# KiCad board APA102_Matrix.kicad_pcb (continued)
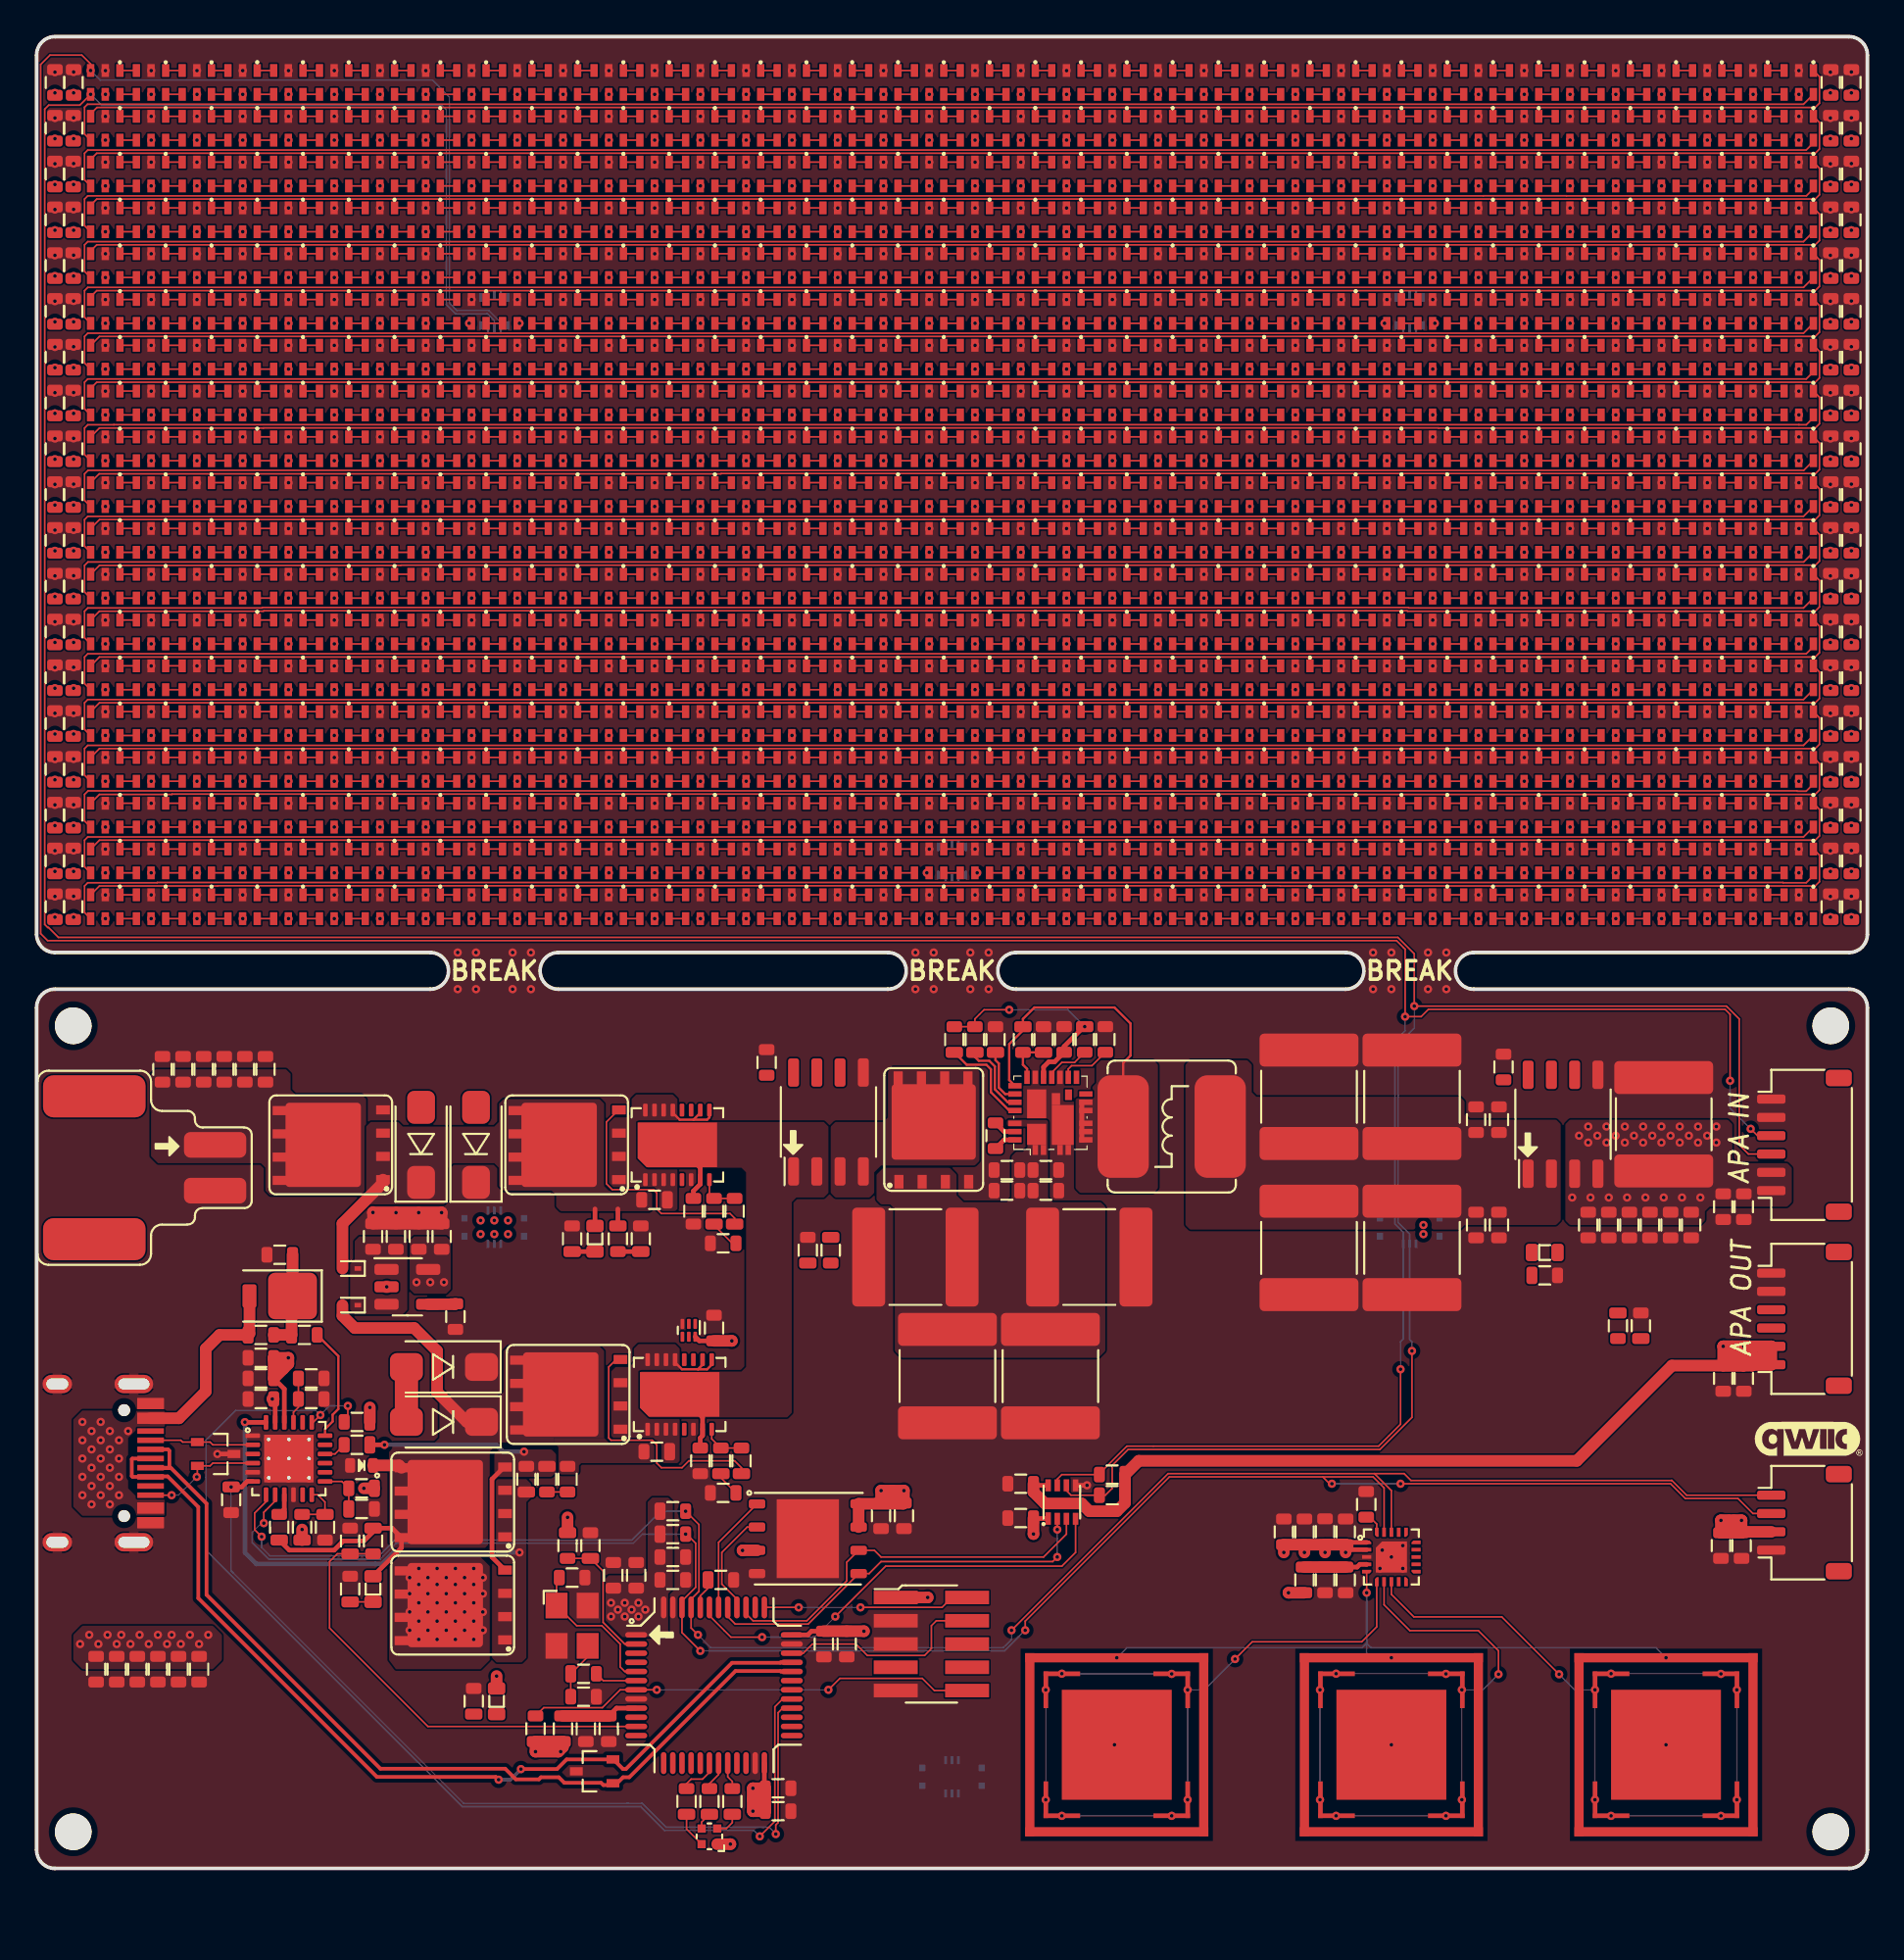
[diagram p0: board, top side]
## Nets (continued)
Net-(D110-Pad1): D110.1 D111.3
Net-(D110-Pad6): D110.6 D111.4
Net-(D111-Pad1): D111.1 D112.3
Net-(D111-Pad6): D111.6 D112.4
Net-(D112-Pad1): D112.1 D113.3
Net-(D112-Pad6): D112.6 D113.4
Net-(D113-Pad1): D113.1 D114.3
Net-(D113-Pad6): D113.6 D114.4
Net-(D115-Pad1): D115.1 D116.3
Net-(D115-Pad6): D115.6 D116.4
Net-(D116-Pad1): D116.1 D117.3
Net-(D116-Pad6): D116.6 D117.4
Net-(D117-Pad1): D117.1 D118.3
Net-(D117-Pad6): D117.6 D118.4
Net-(D118-Pad1): D118.1 D119.3
Net-(D118-Pad6): D118.6 D119.4
Net-(D119-Pad1): D119.1 D120.3
Net-(D119-Pad6): D119.6 D120.4
Net-(D120-Pad1): D120.1 D121.3
Net-(D120-Pad6): D120.6 D121.4
Net-(D121-Pad1): D121.1 D122.3
Net-(D121-Pad6): D121.6 D122.4
Net-(D122-Pad1): D122.1 D123.3
Net-(D122-Pad6): D122.6 D123.4
Net-(D123-Pad1): D123.1 D124.3
Net-(D123-Pad6): D123.6 D124.4
Net-(D124-Pad1): D124.1 D125.3
Net-(D124-Pad6): D124.6 D125.4
Net-(D125-Pad1): D125.1 D126.3
Net-(D125-Pad6): D125.6 D126.4
Net-(D126-Pad1): D126.1 D127.3
Net-(D126-Pad6): D126.6 D127.4
Net-(D127-Pad1): D127.1 D128.3
Net-(D127-Pad6): D127.6 D128.4
Net-(D128-Pad1): D128.1 D129.3
Net-(D128-Pad6): D128.6 D129.4
Net-(D129-Pad1): D129.1 D130.3
Net-(D129-Pad6): D129.6 D130.4
Net-(D130-Pad1): D130.1 D131.3
Net-(D130-Pad6): D130.6 D131.4
Net-(D131-Pad1): D131.1 D132.3
Net-(D131-Pad6): D131.6 D132.4
Net-(D132-Pad1): D132.1 D133.3
Net-(D132-Pad6): D132.6 D133.4
Net-(D133-Pad1): D133.1 D134.3
Net-(D133-Pad6): D133.6 D134.4
Net-(D134-Pad1): D134.1 D135.3
Net-(D134-Pad6): D134.6 D135.4
Net-(D135-Pad1): D135.1 D136.3
Net-(D135-Pad6): D135.6 D136.4
Net-(D136-Pad1): D136.1 D137.3
Net-(D136-Pad6): D136.6 D137.4
Net-(D137-Pad1): D137.1 D138.3
Net-(D137-Pad6): D137.6 D138.4
Net-(D138-Pad1): D138.1 D139.3
Net-(D138-Pad6): D138.6 D139.4
Net-(D139-Pad1): D139.1 D140.3
Net-(D139-Pad6): D139.6 D140.4
Net-(D140-Pad1): D140.1 D141.3
Net-(D140-Pad6): D140.6 D141.4
Net-(D141-Pad1): D141.1 D142.3
Net-(D141-Pad6): D141.6 D142.4
Net-(D142-Pad1): D142.1 D143.3
Net-(D142-Pad6): D142.6 D143.4
Net-(D143-Pad1): D143.1 D144.3
Net-(D143-Pad6): D143.6 D144.4
Net-(D144-Pad1): D144.1 D145.3
Net-(D144-Pad6): D144.6 D145.4
Net-(D145-Pad1): D145.1 D146.3
Net-(D145-Pad6): D145.6 D146.4
Net-(D146-Pad1): D146.1 D147.3
Net-(D146-Pad6): D146.6 D147.4
Net-(D147-Pad1): D147.1 D148.3
Net-(D147-Pad6): D147.6 D148.4
Net-(D148-Pad1): D148.1 D149.3
Net-(D148-Pad6): D148.6 D149.4
Net-(D149-Pad1): D149.1 D150.3
Net-(D149-Pad6): D149.6 D150.4
Net-(D150-Pad1): D150.1 D151.3
Net-(D150-Pad6): D150.6 D151.4
Net-(D151-Pad1): D151.1 D152.3
Net-(D151-Pad6): D151.6 D152.4
Net-(D153-Pad1): D153.1 D154.3
Net-(D153-Pad6): D153.6 D154.4
Net-(D154-Pad1): D154.1 D155.3
Net-(D154-Pad6): D154.6 D155.4
Net-(D155-Pad1): D155.1 D156.3
Net-(D155-Pad6): D155.6 D156.4
Net-(D156-Pad1): D156.1 D157.3
Net-(D156-Pad6): D156.6 D157.4
Net-(D157-Pad1): D157.1 D158.3
Net-(D157-Pad6): D157.6 D158.4
Net-(D158-Pad1): D158.1 D159.3
Net-(D158-Pad6): D158.6 D159.4
Net-(D159-Pad1): D159.1 D160.3
Net-(D159-Pad6): D159.6 D160.4
Net-(D160-Pad1): D160.1 D161.3
Net-(D160-Pad6): D160.6 D161.4
Net-(D161-Pad1): D161.1 D162.3
Net-(D161-Pad6): D161.6 D162.4
Net-(D162-Pad1): D162.1 D163.3
Net-(D162-Pad6): D162.6 D163.4
Net-(D163-Pad1): D163.1 D164.3
Net-(D163-Pad6): D163.6 D164.4
Net-(D164-Pad1): D164.1 D165.3
Net-(D164-Pad6): D164.6 D165.4
Net-(D165-Pad1): D165.1 D166.3
Net-(D165-Pad6): D165.6 D166.4
Net-(D166-Pad1): D166.1 D167.3
Net-(D166-Pad6): D166.6 D167.4
Net-(D167-Pad1): D167.1 D168.3
Net-(D167-Pad6): D167.6 D168.4
Net-(D168-Pad1): D168.1 D169.3
Net-(D168-Pad6): D168.6 D169.4
Net-(D169-Pad1): D169.1 D170.3
Net-(D169-Pad6): D169.6 D170.4
Net-(D170-Pad1): D170.1 D171.3
Net-(D170-Pad6): D170.6 D171.4
Net-(D171-Pad1): D171.1 D172.3
Net-(D171-Pad6): D171.6 D172.4
Net-(D172-Pad1): D172.1 D173.3
Net-(D172-Pad6): D172.6 D173.4
Net-(D173-Pad1): D173.1 D174.3
Net-(D173-Pad6): D173.6 D174.4
Net-(D174-Pad1): D174.1 D175.3
Net-(D174-Pad6): D174.6 D175.4
Net-(D175-Pad1): D175.1 D176.3
Net-(D175-Pad6): D175.6 D176.4
Net-(D176-Pad1): D176.1 D177.3
Net-(D176-Pad6): D176.6 D177.4
Net-(D177-Pad1): D177.1 D178.3
Net-(D177-Pad6): D177.6 D178.4
Net-(D178-Pad1): D178.1 D179.3
Net-(D178-Pad6): D178.6 D179.4
Net-(D179-Pad1): D179.1 D180.3
Net-(D179-Pad6): D179.6 D180.4
Net-(D180-Pad1): D180.1 D181.3
Net-(D180-Pad6): D180.6 D181.4
Net-(D181-Pad1): D181.1 D182.3
Net-(D181-Pad6): D181.6 D182.4
Net-(D182-Pad1): D182.1 D183.3
Net-(D182-Pad6): D182.6 D183.4
Net-(D183-Pad1): D183.1 D184.3
Net-(D183-Pad6): D183.6 D184.4
Net-(D184-Pad1): D184.1 D185.3
Net-(D184-Pad6): D184.6 D185.4
Net-(D185-Pad1): D185.1 D186.3
Net-(D185-Pad6): D185.6 D186.4
Net-(D186-Pad1): D186.1 D187.3
Net-(D186-Pad6): D186.6 D187.4
Net-(D187-Pad1): D187.1 D188.3
Net-(D187-Pad6): D187.6 D188.4
Net-(D188-Pad1): D188.1 D189.3
Net-(D188-Pad6): D188.6 D189.4
Net-(D189-Pad1): D189.1 D190.3
Net-(D189-Pad6): D189.6 D190.4
Net-(D191-Pad1): D191.1 D192.3
Net-(D191-Pad6): D191.6 D192.4
Net-(D192-Pad1): D192.1 D193.3
Net-(D192-Pad6): D192.6 D193.4
Net-(D193-Pad1): D193.1 D194.3
Net-(D193-Pad6): D193.6 D194.4
Net-(D194-Pad1): D194.1 D195.3
Net-(D194-Pad6): D194.6 D195.4
Net-(D195-Pad1): D195.1 D196.3
Net-(D195-Pad6): D195.6 D196.4
Net-(D196-Pad1): D196.1 D197.3
Net-(D196-Pad6): D196.6 D197.4
Net-(D197-Pad1): D197.1 D198.3
Net-(D197-Pad6): D197.6 D198.4
Net-(D198-Pad1): D198.1 D199.3
Net-(D198-Pad6): D198.6 D199.4
Net-(D199-Pad1): D199.1 D200.3
Net-(D199-Pad6): D199.6 D200.4
Net-(D200-Pad1): D200.1 D201.3
Net-(D200-Pad6): D200.6 D201.4
Net-(D201-Pad1): D201.1 D202.3
Net-(D201-Pad6): D201.6 D202.4
Net-(D202-Pad1): D202.1 D203.3
Net-(D202-Pad6): D202.6 D203.4
Net-(D203-Pad1): D203.1 D204.3
Net-(D203-Pad6): D203.6 D204.4
Net-(D204-Pad1): D204.1 D205.3
Net-(D204-Pad6): D204.6 D205.4
Net-(D205-Pad1): D205.1 D206.3
Net-(D205-Pad6): D205.6 D206.4
Net-(D206-Pad1): D206.1 D207.3
Net-(D206-Pad6): D206.6 D207.4
Net-(D207-Pad1): D207.1 D208.3
Net-(D207-Pad6): D207.6 D208.4
Net-(D208-Pad1): D208.1 D209.3
Net-(D208-Pad6): D208.6 D209.4
Net-(D209-Pad1): D209.1 D210.3
Net-(D209-Pad6): D209.6 D210.4
Net-(D210-Pad1): D210.1 D211.3
Net-(D210-Pad6): D210.6 D211.4
Net-(D211-Pad1): D211.1 D212.3
Net-(D211-Pad6): D211.6 D212.4
Net-(D212-Pad1): D212.1 D213.3
Net-(D212-Pad6): D212.6 D213.4
Net-(D213-Pad1): D213.1 D214.3
Net-(D213-Pad6): D213.6 D214.4
Net-(D214-Pad1): D214.1 D215.3
Net-(D214-Pad6): D214.6 D215.4
Net-(D215-Pad1): D215.1 D216.3
Net-(D215-Pad6): D215.6 D216.4
Net-(D216-Pad1): D216.1 D217.3
Net-(D216-Pad6): D216.6 D217.4
Net-(D217-Pad1): D217.1 D218.3
Net-(D217-Pad6): D217.6 D218.4
Net-(D218-Pad1): D218.1 D219.3
Net-(D218-Pad6): D218.6 D219.4
Net-(D219-Pad1): D219.1 D220.3
Net-(D219-Pad6): D219.6 D220.4
Net-(D220-Pad1): D220.1 D221.3
Net-(D220-Pad6): D220.6 D221.4
Net-(D221-Pad1): D221.1 D222.3
Net-(D221-Pad6): D221.6 D222.4
Net-(D222-Pad1): D222.1 D223.3
Net-(D222-Pad6): D222.6 D223.4
Net-(D223-Pad1): D223.1 D224.3
Net-(D223-Pad6): D223.6 D224.4
Net-(D224-Pad1): D224.1 D225.3
Net-(D224-Pad6): D224.6 D225.4
Net-(D225-Pad1): D225.1 D226.3
Net-(D225-Pad6): D225.6 D226.4
Net-(D226-Pad1): D226.1 D227.3
Net-(D226-Pad6): D226.6 D227.4
Net-(D227-Pad1): D227.1 D228.3
Net-(D227-Pad6): D227.6 D228.4
Net-(D229-Pad1): D229.1 D230.3
Net-(D229-Pad6): D229.6 D230.4
Net-(D230-Pad1): D230.1 D231.3
Net-(D230-Pad6): D230.6 D231.4
Net-(D231-Pad1): D231.1 D232.3
Net-(D231-Pad6): D231.6 D232.4
Net-(D232-Pad1): D232.1 D233.3
Net-(D232-Pad6): D232.6 D233.4
Net-(D233-Pad1): D233.1 D234.3
Net-(D233-Pad6): D233.6 D234.4
Net-(D234-Pad1): D234.1 D235.3
Net-(D234-Pad6): D234.6 D235.4
Net-(D235-Pad1): D235.1 D236.3
Net-(D235-Pad6): D235.6 D236.4
Net-(D236-Pad1): D236.1 D237.3
Net-(D236-Pad6): D236.6 D237.4
Net-(D237-Pad1): D237.1 D238.3
Net-(D237-Pad6): D237.6 D238.4
Net-(D238-Pad1): D238.1 D239.3
Net-(D238-Pad6): D238.6 D239.4
Net-(D239-Pad1): D239.1 D240.3
Net-(D239-Pad6): D239.6 D240.4
Net-(D240-Pad1): D240.1 D241.3
Net-(D240-Pad6): D240.6 D241.4
Net-(D241-Pad1): D241.1 D242.3
Net-(D241-Pad6): D241.6 D242.4
Net-(D242-Pad1): D242.1 D243.3
Net-(D242-Pad6): D242.6 D243.4
Net-(D243-Pad1): D243.1 D244.3
Net-(D243-Pad6): D243.6 D244.4
Net-(D244-Pad1): D244.1 D245.3
Net-(D244-Pad6): D244.6 D245.4
Net-(D245-Pad1): D245.1 D246.3
Net-(D245-Pad6): D245.6 D246.4
Net-(D246-Pad1): D246.1 D247.3
Net-(D246-Pad6): D246.6 D247.4
Net-(D247-Pad1): D247.1 D248.3
Net-(D247-Pad6): D247.6 D248.4
Net-(D248-Pad1): D248.1 D249.3
Net-(D248-Pad6): D248.6 D249.4
Net-(D249-Pad1): D249.1 D250.3
Net-(D249-Pad6): D249.6 D250.4
Net-(D250-Pad1): D250.1 D251.3
Net-(D250-Pad6): D250.6 D251.4
Net-(D251-Pad1): D251.1 D252.3
Net-(D251-Pad6): D251.6 D252.4
Net-(D252-Pad1): D252.1 D253.3
Net-(D252-Pad6): D252.6 D253.4
Net-(D253-Pad1): D253.1 D254.3
Net-(D253-Pad6): D253.6 D254.4
Net-(D254-Pad1): D254.1 D255.3
Net-(D254-Pad6): D254.6 D255.4
Net-(D255-Pad1): D255.1 D256.3
Net-(D255-Pad6): D255.6 D256.4
Net-(D256-Pad1): D256.1 D257.3
Net-(D256-Pad6): D256.6 D257.4
Net-(D257-Pad1): D257.1 D258.3
Net-(D257-Pad6): D257.6 D258.4
Net-(D258-Pad1): D258.1 D259.3
Net-(D258-Pad6): D258.6 D259.4
Net-(D259-Pad1): D259.1 D260.3
Net-(D259-Pad6): D259.6 D260.4
Net-(D260-Pad1): D260.1 D261.3
Net-(D260-Pad6): D260.6 D261.4
Net-(D261-Pad1): D261.1 D262.3
Net-(D261-Pad6): D261.6 D262.4
Net-(D262-Pad1): D262.1 D263.3
Net-(D262-Pad6): D262.6 D263.4
Net-(D263-Pad1): D263.1 D264.3
Net-(D263-Pad6): D263.6 D264.4
Net-(D264-Pad1): D264.1 D265.3
Net-(D264-Pad6): D264.6 D265.4
Net-(D265-Pad1): D265.1 D266.3
Net-(D265-Pad6): D265.6 D266.4
Net-(D267-Pad1): D267.1 D268.3
Net-(D267-Pad6): D267.6 D268.4
Net-(D268-Pad1): D268.1 D269.3
Net-(D268-Pad6): D268.6 D269.4
Net-(D269-Pad1): D269.1 D270.3
Net-(D269-Pad6): D269.6 D270.4
Net-(D270-Pad1): D270.1 D271.3
Net-(D270-Pad6): D270.6 D271.4
Net-(D271-Pad1): D271.1 D272.3
Net-(D271-Pad6): D271.6 D272.4
Net-(D272-Pad1): D272.1 D273.3
Net-(D272-Pad6): D272.6 D273.4
Net-(D273-Pad1): D273.1 D274.3
Net-(D273-Pad6): D273.6 D274.4
Net-(D274-Pad1): D274.1 D275.3
Net-(D274-Pad6): D274.6 D275.4
Net-(D275-Pad1): D275.1 D276.3
Net-(D275-Pad6): D275.6 D276.4
Net-(D276-Pad1): D276.1 D277.3
Net-(D276-Pad6): D276.6 D277.4
Net-(D277-Pad1): D277.1 D278.3
Net-(D277-Pad6): D277.6 D278.4
Net-(D278-Pad1): D278.1 D279.3
Net-(D278-Pad6): D278.6 D279.4
Net-(D279-Pad1): D279.1 D280.3
Net-(D279-Pad6): D279.6 D280.4
Net-(D280-Pad1): D280.1 D281.3
Net-(D280-Pad6): D280.6 D281.4
Net-(D281-Pad1): D281.1 D282.3
Net-(D281-Pad6): D281.6 D282.4
Net-(D282-Pad1): D282.1 D283.3
Net-(D282-Pad6): D282.6 D283.4
Net-(D283-Pad1): D283.1 D284.3
Net-(D283-Pad6): D283.6 D284.4
Net-(D284-Pad1): D284.1 D285.3
Net-(D284-Pad6): D284.6 D285.4
Net-(D285-Pad1): D285.1 D286.3
Net-(D285-Pad6): D285.6 D286.4
Net-(D286-Pad1): D286.1 D287.3
Net-(D286-Pad6): D286.6 D287.4
Net-(D287-Pad1): D287.1 D288.3
Net-(D287-Pad6): D287.6 D288.4
Net-(D288-Pad1): D288.1 D289.3
Net-(D288-Pad6): D288.6 D289.4
Net-(D289-Pad1): D289.1 D290.3
Net-(D289-Pad6): D289.6 D290.4
Net-(D290-Pad1): D290.1 D291.3
Net-(D290-Pad6): D290.6 D291.4
Net-(D291-Pad1): D291.1 D292.3
Net-(D291-Pad6): D291.6 D292.4
Net-(D292-Pad1): D292.1 D293.3
Net-(D292-Pad6): D292.6 D293.4
Net-(D293-Pad1): D293.1 D294.3
Net-(D293-Pad6): D293.6 D294.4
Net-(D294-Pad1): D294.1 D295.3
Net-(D294-Pad6): D294.6 D295.4
Net-(D295-Pad1): D295.1 D296.3
Net-(D295-Pad6): D295.6 D296.4
Net-(D296-Pad1): D296.1 D297.3
Net-(D296-Pad6): D296.6 D297.4
Net-(D297-Pad1): D297.1 D298.3
Net-(D297-Pad6): D297.6 D298.4
Net-(D298-Pad1): D298.1 D299.3
Net-(D298-Pad6): D298.6 D299.4
Net-(D299-Pad1): D299.1 D300.3
Net-(D299-Pad6): D299.6 D300.4
Net-(D300-Pad1): D300.1 D301.3
Net-(D300-Pad6): D300.6 D301.4
Net-(D301-Pad1): D301.1 D302.3
Net-(D301-Pad6): D301.6 D302.4
Net-(D302-Pad1): D302.1 D303.3
Net-(D302-Pad6): D302.6 D303.4
Net-(D303-Pad1): D303.1 D304.3
Net-(D303-Pad6): D303.6 D304.4
Net-(D305-Pad1): D305.1 D306.3
Net-(D305-Pad6): D305.6 D306.4
Net-(D306-Pad1): D306.1 D307.3
Net-(D306-Pad6): D306.6 D307.4
Net-(D307-Pad1): D307.1 D308.3
Net-(D307-Pad6): D307.6 D308.4
Net-(D308-Pad1): D308.1 D309.3
Net-(D308-Pad6): D308.6 D309.4
Net-(D309-Pad1): D309.1 D310.3
Net-(D309-Pad6): D309.6 D310.4
Net-(D310-Pad1): D310.1 D311.3
Net-(D310-Pad6): D310.6 D311.4
Net-(D311-Pad1): D311.1 D312.3
Net-(D311-Pad6): D311.6 D312.4
Net-(D312-Pad1): D312.1 D313.3
Net-(D312-Pad6): D312.6 D313.4
Net-(D313-Pad1): D313.1 D314.3
Net-(D313-Pad6): D313.6 D314.4
Net-(D314-Pad1): D314.1 D315.3
Net-(D314-Pad6): D314.6 D315.4
Net-(D315-Pad1): D315.1 D316.3
Net-(D315-Pad6): D315.6 D316.4
Net-(D316-Pad1): D316.1 D317.3
Net-(D316-Pad6): D316.6 D317.4
Net-(D317-Pad1): D317.1 D318.3
Net-(D317-Pad6): D317.6 D318.4
Net-(D318-Pad1): D318.1 D319.3
Net-(D318-Pad6): D318.6 D319.4
Net-(D319-Pad1): D319.1 D320.3
Net-(D319-Pad6): D319.6 D320.4
Net-(D320-Pad1): D320.1 D321.3
Net-(D320-Pad6): D320.6 D321.4
Net-(D321-Pad1): D321.1 D322.3
Net-(D321-Pad6): D321.6 D322.4
Net-(D322-Pad1): D322.1 D323.3
Net-(D322-Pad6): D322.6 D323.4
Net-(D323-Pad1): D323.1 D324.3
Net-(D323-Pad6): D323.6 D324.4
Net-(D324-Pad1): D324.1 D325.3
Net-(D324-Pad6): D324.6 D325.4
Net-(D325-Pad1): D325.1 D326.3
Net-(D325-Pad6): D325.6 D326.4
Net-(D326-Pad1): D326.1 D327.3
Net-(D326-Pad6): D326.6 D327.4
Net-(D327-Pad1): D327.1 D328.3
Net-(D327-Pad6): D327.6 D328.4
Net-(D328-Pad1): D328.1 D329.3
Net-(D328-Pad6): D328.6 D329.4
Net-(D329-Pad1): D329.1 D330.3
Net-(D329-Pad6): D329.6 D330.4
Net-(D330-Pad1): D330.1 D331.3
Net-(D330-Pad6): D330.6 D331.4
Net-(D331-Pad1): D331.1 D332.3
Net-(D331-Pad6): D331.6 D332.4
Net-(D332-Pad1): D332.1 D333.3
Net-(D332-Pad6): D332.6 D333.4
Net-(D333-Pad1): D333.1 D334.3
Net-(D333-Pad6): D333.6 D334.4
Net-(D334-Pad1): D334.1 D335.3
Net-(D334-Pad6): D334.6 D335.4
Net-(D335-Pad1): D335.1 D336.3
Net-(D335-Pad6): D335.6 D336.4
Net-(D336-Pad1): D336.1 D337.3
Net-(D336-Pad6): D336.6 D337.4
Net-(D337-Pad1): D337.1 D338.3
Net-(D337-Pad6): D337.6 D338.4
Net-(D338-Pad1): D338.1 D339.3
Net-(D338-Pad6): D338.6 D339.4
Net-(D339-Pad1): D339.1 D340.3
Net-(D339-Pad6): D339.6 D340.4
Net-(D340-Pad1): D340.1 D341.3
Net-(D340-Pad6): D340.6 D341.4
Net-(D341-Pad1): D341.1 D342.3
Net-(D341-Pad6): D341.6 D342.4
Net-(D343-Pad1): D343.1 D344.3
Net-(D343-Pad6): D343.6 D344.4
Net-(D344-Pad1): D344.1 D345.3
Net-(D344-Pad6): D344.6 D345.4
Net-(D345-Pad1): D345.1 D346.3
Net-(D345-Pad6): D345.6 D346.4
Net-(D346-Pad1): D346.1 D347.3
Net-(D346-Pad6): D346.6 D347.4
Net-(D347-Pad1): D347.1 D348.3
Net-(D347-Pad6): D347.6 D348.4
Net-(D348-Pad1): D348.1 D349.3
Net-(D348-Pad6): D348.6 D349.4
Net-(D349-Pad1): D349.1 D350.3
Net-(D349-Pad6): D349.6 D350.4
Net-(D350-Pad1): D350.1 D351.3
Net-(D350-Pad6): D350.6 D351.4
Net-(D351-Pad1): D351.1 D352.3
Net-(D351-Pad6): D351.6 D352.4
Net-(D352-Pad1): D352.1 D353.3
Net-(D352-Pad6): D352.6 D353.4
Net-(D353-Pad1): D353.1 D354.3
Net-(D353-Pad6): D353.6 D354.4
Net-(D354-Pad1): D354.1 D355.3
Net-(D354-Pad6): D354.6 D355.4
Net-(D355-Pad1): D355.1 D356.3
Net-(D355-Pad6): D355.6 D356.4
Net-(D356-Pad1): D356.1 D357.3
Net-(D356-Pad6): D356.6 D357.4
Net-(D357-Pad1): D357.1 D358.3
Net-(D357-Pad6): D357.6 D358.4
Net-(D358-Pad1): D358.1 D359.3
Net-(D358-Pad6): D358.6 D359.4
Net-(D359-Pad1): D359.1 D360.3
Net-(D359-Pad6): D359.6 D360.4
Net-(D360-Pad1): D360.1 D361.3
Net-(D360-Pad6): D360.6 D361.4
Net-(D361-Pad1): D361.1 D362.3
Net-(D361-Pad6): D361.6 D362.4
Net-(D362-Pad1): D362.1 D363.3
Net-(D362-Pad6): D362.6 D363.4
Net-(D363-Pad1): D363.1 D364.3
Net-(D363-Pad6): D363.6 D364.4
Net-(D364-Pad1): D364.1 D365.3
Net-(D364-Pad6): D364.6 D365.4
Net-(D365-Pad1): D365.1 D366.3
Net-(D365-Pad6): D365.6 D366.4
Net-(D366-Pad1): D366.1 D367.3
Net-(D366-Pad6): D366.6 D367.4
Net-(D367-Pad1): D367.1 D368.3
Net-(D367-Pad6): D367.6 D368.4
Net-(D368-Pad1): D368.1 D369.3
Net-(D368-Pad6): D368.6 D369.4
Net-(D369-Pad1): D369.1 D370.3
Net-(D369-Pad6): D369.6 D370.4
Net-(D370-Pad1): D370.1 D371.3
Net-(D370-Pad6): D370.6 D371.4
Net-(D371-Pad1): D371.1 D372.3
Net-(D371-Pad6): D371.6 D372.4
Net-(D372-Pad1): D372.1 D373.3
Net-(D372-Pad6): D372.6 D373.4
Net-(D373-Pad1): D373.1 D374.3
Net-(D373-Pad6): D373.6 D374.4
Net-(D374-Pad1): D374.1 D375.3
Net-(D374-Pad6): D374.6 D375.4
Net-(D375-Pad1): D375.1 D376.3
Net-(D375-Pad6): D375.6 D376.4
Net-(D376-Pad1): D376.1 D377.3
Net-(D376-Pad6): D376.6 D377.4
Net-(D377-Pad1): D377.1 D378.3
Net-(D377-Pad6): D377.6 D378.4
Net-(D378-Pad1): D378.1 D379.3
Net-(D378-Pad6): D378.6 D379.4
Net-(D379-Pad1): D379.1 D380.3
Net-(D379-Pad6): D379.6 D380.4
Net-(D381-Pad1): D381.1 D382.3
Net-(D381-Pad6): D381.6 D382.4
Net-(D382-Pad1): D382.1 D383.3
Net-(D382-Pad6): D382.6 D383.4
Net-(D383-Pad1): D383.1 D384.3
Net-(D383-Pad6): D383.6 D384.4
Net-(D384-Pad1): D384.1 D385.3
Net-(D384-Pad6): D384.6 D385.4
Net-(D385-Pad1): D385.1 D386.3
Net-(D385-Pad6): D385.6 D386.4
Net-(D386-Pad1): D386.1 D387.3
Net-(D386-Pad6): D386.6 D387.4
Net-(D387-Pad1): D387.1 D388.3
Net-(D387-Pad6): D387.6 D388.4
Net-(D388-Pad1): D388.1 D389.3
Net-(D388-Pad6): D388.6 D389.4
Net-(D389-Pad1): D389.1 D390.3
Net-(D389-Pad6): D389.6 D390.4
Net-(D390-Pad1): D390.1 D391.3
Net-(D390-Pad6): D390.6 D391.4
Net-(D391-Pad1): D391.1 D392.3
Net-(D391-Pad6): D391.6 D392.4
Net-(D392-Pad1): D392.1 D393.3
Net-(D392-Pad6): D392.6 D393.4
Net-(D393-Pad1): D393.1 D394.3
Net-(D393-Pad6): D393.6 D394.4
Net-(D394-Pad1): D394.1 D395.3
Net-(D394-Pad6): D394.6 D395.4
Net-(D395-Pad1): D395.1 D396.3
Net-(D395-Pad6): D395.6 D396.4
Net-(D396-Pad1): D396.1 D397.3
Net-(D396-Pad6): D396.6 D397.4
Net-(D397-Pad1): D397.1 D398.3
Net-(D397-Pad6): D397.6 D398.4
Net-(D398-Pad1): D398.1 D399.3
Net-(D398-Pad6): D398.6 D399.4
Net-(D399-Pad1): D399.1 D400.3
Net-(D399-Pad6): D399.6 D400.4
Net-(D400-Pad1): D400.1 D401.3
Net-(D400-Pad6): D400.6 D401.4
Net-(D401-Pad1): D401.1 D402.3
Net-(D401-Pad6): D401.6 D402.4
Net-(D402-Pad1): D402.1 D403.3
Net-(D402-Pad6): D402.6 D403.4
Net-(D403-Pad1): D403.1 D404.3
Net-(D403-Pad6): D403.6 D404.4
Net-(D404-Pad1): D404.1 D405.3
Net-(D404-Pad6): D404.6 D405.4
Net-(D405-Pad1): D405.1 D406.3
Net-(D405-Pad6): D405.6 D406.4
Net-(D406-Pad1): D406.1 D407.3
Net-(D406-Pad6): D406.6 D407.4
Net-(D407-Pad1): D407.1 D408.3
Net-(D407-Pad6): D407.6 D408.4
Net-(D408-Pad1): D408.1 D409.3
Net-(D408-Pad6): D408.6 D409.4
Net-(D409-Pad1): D409.1 D410.3
Net-(D409-Pad6): D409.6 D410.4
Net-(D410-Pad1): D410.1 D411.3
Net-(D410-Pad6): D410.6 D411.4
Net-(D411-Pad1): D411.1 D412.3
Net-(D411-Pad6): D411.6 D412.4
Net-(D412-Pad1): D412.1 D413.3
Net-(D412-Pad6): D412.6 D413.4
Net-(D413-Pad1): D413.1 D414.3
Net-(D413-Pad6): D413.6 D414.4
Net-(D414-Pad1): D414.1 D415.3
Net-(D414-Pad6): D414.6 D415.4
Net-(D415-Pad1): D415.1 D416.3
Net-(D415-Pad6): D415.6 D416.4
Net-(D416-Pad1): D416.1 D417.3
Net-(D416-Pad6): D416.6 D417.4
Net-(D417-Pad1): D417.1 D418.3
Net-(D417-Pad6): D417.6 D418.4
Net-(D419-Pad1): D419.1 D420.3
Net-(D419-Pad6): D419.6 D420.4
Net-(D420-Pad1): D420.1 D421.3
Net-(D420-Pad6): D420.6 D421.4
Net-(D421-Pad1): D421.1 D422.3
Net-(D421-Pad6): D421.6 D422.4
Net-(D422-Pad1): D422.1 D423.3
Net-(D422-Pad6): D422.6 D423.4
Net-(D423-Pad1): D423.1 D424.3
Net-(D423-Pad6): D423.6 D424.4
Net-(D424-Pad1): D424.1 D425.3
Net-(D424-Pad6): D424.6 D425.4
Net-(D425-Pad1): D425.1 D426.3
Net-(D425-Pad6): D425.6 D426.4
Net-(D426-Pad1): D426.1 D427.3
Net-(D426-Pad6): D426.6 D427.4
Net-(D427-Pad1): D427.1 D428.3
Net-(D427-Pad6): D427.6 D428.4
Net-(D428-Pad1): D428.1 D429.3
Net-(D428-Pad6): D428.6 D429.4
Net-(D429-Pad1): D429.1 D430.3
Net-(D429-Pad6): D429.6 D430.4
Net-(D430-Pad1): D430.1 D431.3
Net-(D430-Pad6): D430.6 D431.4
Net-(D431-Pad1): D431.1 D432.3
Net-(D431-Pad6): D431.6 D432.4
Net-(D432-Pad1): D432.1 D433.3
Net-(D432-Pad6): D432.6 D433.4
Net-(D433-Pad1): D433.1 D434.3
Net-(D433-Pad6): D433.6 D434.4
Net-(D434-Pad1): D434.1 D435.3
Net-(D434-Pad6): D434.6 D435.4
Net-(D435-Pad1): D435.1 D436.3
Net-(D435-Pad6): D435.6 D436.4
Net-(D436-Pad1): D436.1 D437.3
Net-(D436-Pad6): D436.6 D437.4
Net-(D437-Pad1): D437.1 D438.3
Net-(D437-Pad6): D437.6 D438.4
Net-(D438-Pad1): D438.1 D439.3
Net-(D438-Pad6): D438.6 D439.4
Net-(D439-Pad1): D439.1 D440.3
Net-(D439-Pad6): D439.6 D440.4
Net-(D440-Pad1): D440.1 D441.3
Net-(D440-Pad6): D440.6 D441.4
Net-(D441-Pad1): D441.1 D442.3
Net-(D441-Pad6): D441.6 D442.4
Net-(D442-Pad1): D442.1 D443.3
Net-(D442-Pad6): D442.6 D443.4
Net-(D443-Pad1): D443.1 D444.3
Net-(D443-Pad6): D443.6 D444.4
Net-(D444-Pad1): D444.1 D445.3
Net-(D444-Pad6): D444.6 D445.4
Net-(D445-Pad1): D445.1 D446.3
Net-(D445-Pad6): D445.6 D446.4
Net-(D446-Pad1): D446.1 D447.3
Net-(D446-Pad6): D446.6 D447.4
Net-(D447-Pad1): D447.1 D448.3
Net-(D447-Pad6): D447.6 D448.4
Net-(D448-Pad1): D448.1 D449.3
Net-(D448-Pad6): D448.6 D449.4
Net-(D449-Pad1): D449.1 D450.3
Net-(D449-Pad6): D449.6 D450.4
Net-(D450-Pad1): D450.1 D451.3
Net-(D450-Pad6): D450.6 D451.4
Net-(D451-Pad1): D451.1 D452.3
Net-(D451-Pad6): D451.6 D452.4
Net-(D452-Pad1): D452.1 D453.3
Net-(D452-Pad6): D452.6 D453.4
Net-(D453-Pad1): D453.1 D454.3
Net-(D453-Pad6): D453.6 D454.4
Net-(D454-Pad1): D454.1 D455.3
Net-(D454-Pad6): D454.6 D455.4
Net-(D455-Pad1): D455.1 D456.3
Net-(D455-Pad6): D455.6 D456.4
Net-(D457-Pad1): D457.1 D458.3
Net-(D457-Pad6): D457.6 D458.4
Net-(D458-Pad1): D458.1 D459.3
Net-(D458-Pad6): D458.6 D459.4
Net-(D459-Pad1): D459.1 D460.3
Net-(D459-Pad6): D459.6 D460.4
Net-(D460-Pad1): D460.1 D461.3
Net-(D460-Pad6): D460.6 D461.4
Net-(D461-Pad1): D461.1 D462.3
Net-(D461-Pad6): D461.6 D462.4
Net-(D462-Pad1): D462.1 D463.3
Net-(D462-Pad6): D462.6 D463.4
Net-(D463-Pad1): D463.1 D464.3
Net-(D463-Pad6): D463.6 D464.4
Net-(D464-Pad1): D464.1 D465.3
Net-(D464-Pad6): D464.6 D465.4
Net-(D465-Pad1): D465.1 D466.3
Net-(D465-Pad6): D465.6 D466.4
Net-(D466-Pad1): D466.1 D467.3
Net-(D466-Pad6): D466.6 D467.4
Net-(D467-Pad1): D467.1 D468.3
Net-(D467-Pad6): D467.6 D468.4
Net-(D468-Pad1): D468.1 D469.3
Net-(D468-Pad6): D468.6 D469.4
Net-(D469-Pad1): D469.1 D470.3
Net-(D469-Pad6): D469.6 D470.4
Net-(D470-Pad1): D470.1 D471.3
Net-(D470-Pad6): D470.6 D471.4
Net-(D471-Pad1): D471.1 D472.3
Net-(D471-Pad6): D471.6 D472.4
Net-(D472-Pad1): D472.1 D473.3
Net-(D472-Pad6): D472.6 D473.4
Net-(D473-Pad1): D473.1 D474.3
Net-(D473-Pad6): D473.6 D474.4
Net-(D474-Pad1): D474.1 D475.3
Net-(D474-Pad6): D474.6 D475.4
Net-(D475-Pad1): D475.1 D476.3
Net-(D475-Pad6): D475.6 D476.4
Net-(D476-Pad1): D476.1 D477.3
Net-(D476-Pad6): D476.6 D477.4
Net-(D477-Pad1): D477.1 D478.3
Net-(D477-Pad6): D477.6 D478.4
Net-(D478-Pad1): D478.1 D479.3
Net-(D478-Pad6): D478.6 D479.4
Net-(D479-Pad1): D479.1 D480.3
Net-(D479-Pad6): D479.6 D480.4
Net-(D480-Pad1): D480.1 D481.3
Net-(D480-Pad6): D480.6 D481.4
Net-(D481-Pad1): D481.1 D482.3
Net-(D481-Pad6): D481.6 D482.4
Net-(D482-Pad1): D482.1 D483.3
Net-(D482-Pad6): D482.6 D483.4
Net-(D483-Pad1): D483.1 D484.3
Net-(D483-Pad6): D483.6 D484.4
Net-(D484-Pad1): D484.1 D485.3
Net-(D484-Pad6): D484.6 D485.4
Net-(D485-Pad1): D485.1 D486.3
Net-(D485-Pad6): D485.6 D486.4
Net-(D486-Pad1): D486.1 D487.3
Net-(D486-Pad6): D486.6 D487.4
Net-(D487-Pad1): D487.1 D488.3
Net-(D487-Pad6): D487.6 D488.4
Net-(D488-Pad1): D488.1 D489.3
Net-(D488-Pad6): D488.6 D489.4
Net-(D489-Pad1): D489.1 D490.3
Net-(D489-Pad6): D489.6 D490.4
Net-(D490-Pad1): D490.1 D491.3
Net-(D490-Pad6): D490.6 D491.4
Net-(D491-Pad1): D491.1 D492.3
Net-(D491-Pad6): D491.6 D492.4
Net-(D492-Pad1): D492.1 D493.3
Net-(D492-Pad6): D492.6 D493.4
Net-(D493-Pad1): D493.1 D494.3
Net-(D493-Pad6): D493.6 D494.4
Net-(D495-Pad1): D495.1 D496.3
Net-(D495-Pad6): D495.6 D496.4
Net-(D496-Pad1): D496.1 D497.3
Net-(D496-Pad6): D496.6 D497.4
Net-(D497-Pad1): D497.1 D498.3
Net-(D497-Pad6): D497.6 D498.4
Net-(D498-Pad1): D498.1 D499.3
Net-(D498-Pad6): D498.6 D499.4
Net-(D499-Pad1): D499.1 D500.3
Net-(D499-Pad6): D499.6 D500.4
Net-(D500-Pad1): D500.1 D501.3
Net-(D500-Pad6): D500.6 D501.4
Net-(D501-Pad1): D501.1 D502.3
Net-(D501-Pad6): D501.6 D502.4
Net-(D502-Pad1): D502.1 D503.3
Net-(D502-Pad6): D502.6 D503.4
Net-(D503-Pad1): D503.1 D504.3
Net-(D503-Pad6): D503.6 D504.4
Net-(D504-Pad1): D504.1 D505.3
Net-(D504-Pad6): D504.6 D505.4
Net-(D505-Pad1): D505.1 D506.3
Net-(D505-Pad6): D505.6 D506.4
Net-(D506-Pad1): D506.1 D507.3
Net-(D506-Pad6): D506.6 D507.4
Net-(D507-Pad1): D507.1 D508.3
Net-(D507-Pad6): D507.6 D508.4
Net-(D508-Pad1): D508.1 D509.3
Net-(D508-Pad6): D508.6 D509.4
Net-(D509-Pad1): D509.1 D510.3
Net-(D509-Pad6): D509.6 D510.4
Net-(D510-Pad1): D510.1 D511.3
Net-(D510-Pad6): D510.6 D511.4
Net-(D511-Pad1): D511.1 D512.3
Net-(D511-Pad6): D511.6 D512.4
Net-(D512-Pad1): D512.1 D513.3
Net-(D512-Pad6): D512.6 D513.4
Net-(D513-Pad1): D513.1 D514.3
Net-(D513-Pad6): D513.6 D514.4
Net-(D514-Pad1): D514.1 D515.3
Net-(D514-Pad6): D514.6 D515.4
Net-(D515-Pad1): D515.1 D516.3
Net-(D515-Pad6): D515.6 D516.4
Net-(D516-Pad1): D516.1 D517.3
Net-(D516-Pad6): D516.6 D517.4
Net-(D517-Pad1): D517.1 D518.3
Net-(D517-Pad6): D517.6 D518.4
Net-(D518-Pad1): D518.1 D519.3
Net-(D518-Pad6): D518.6 D519.4
Net-(D519-Pad1): D519.1 D520.3
Net-(D519-Pad6): D519.6 D520.4
Net-(D520-Pad1): D520.1 D521.3
Net-(D520-Pad6): D520.6 D521.4
Net-(D521-Pad1): D521.1 D522.3
Net-(D521-Pad6): D521.6 D522.4
Net-(D522-Pad1): D522.1 D523.3
Net-(D522-Pad6): D522.6 D523.4
Net-(D523-Pad1): D523.1 D524.3
Net-(D523-Pad6): D523.6 D524.4
